# Altium PCB Slave.PcbDoc (part 6 of 12)
Units mm, origin at the board's own origin, x right, y up, seen from the top; angles counter-clockwise.
Board outline 380 x 63 mm, 4 copper layers (Top Copper, Signal Layer 1, Signal Layer 2, Bottom Copper), stack 1.586 mm thick; 265 components, 193 nets, 745 pads, 28205 vias.
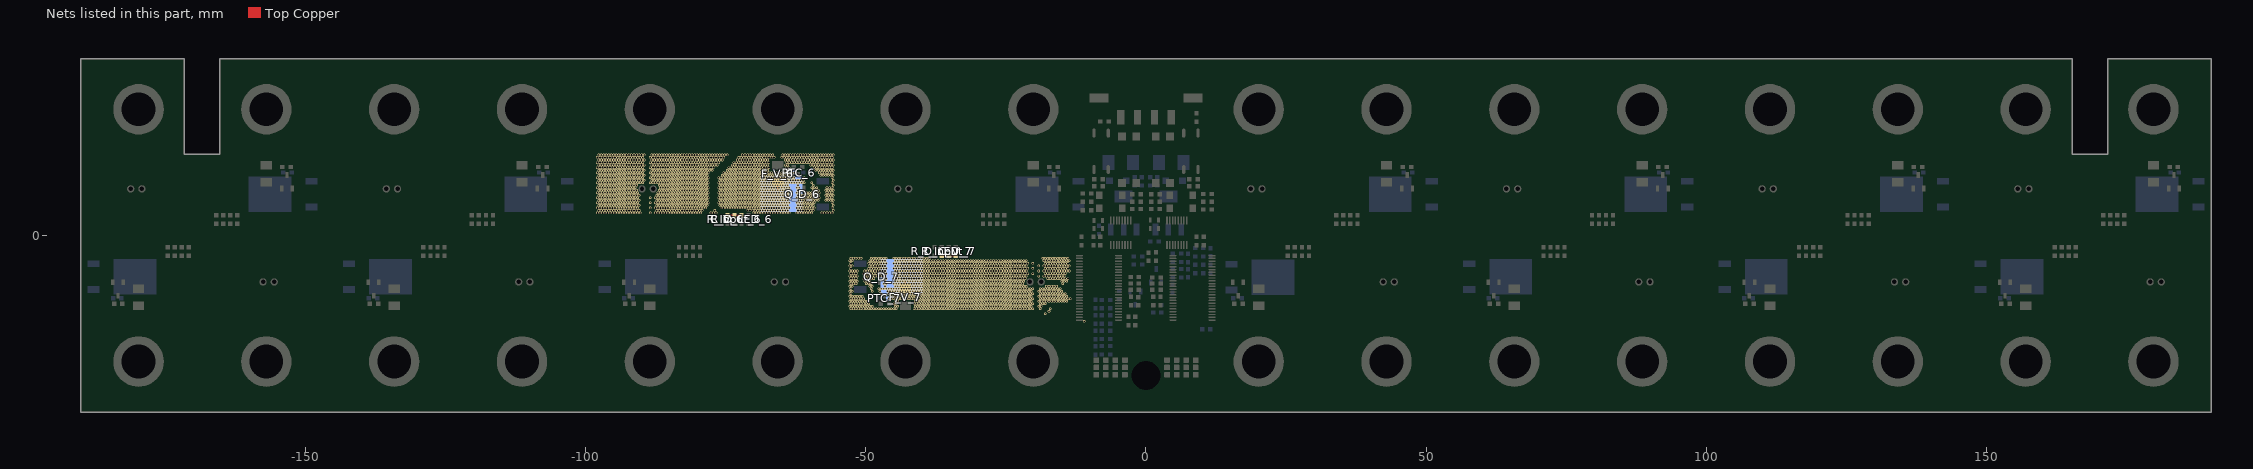
[diagram p8: the nets of this part, all layers, seen from the top]

## Via types
v1: diameter 0.45, hole 0.297, Top Copper to Bottom Copper, tented both sides, 27372 vias
v2: diameter 1, hole 0.7, Top Copper to Bottom Copper, 576 vias
v3: diameter 0.45, hole 0.2, Top Copper to Bottom Copper, 257 vias

## Nets (pads, with @x,y where several pads share a name; then routed paths per layer and width w, separated by ;. In a path a pad name is that pad's centre, name@x,y a point inside that pad or via, vN(x,y) a via of type N, cw(c..) or ccw(c..) an arc to the next point about the centre after c; other vN are vias at no path point) (continued)
F_6: C_V_6.2 F_V_6.2 PTC_6.2 Q_D_6.2 R_D_LED_6.2 R_Input_6.1 | length 3.9
  Top Copper w0.254: C_V_6.2@-74.65,3.6 R_Input_6.1@-73.4,3.6 R_D_LED_6.2@-72.15,3.6
  Top Copper w0.305: v1@-65.675,8.1 F_V_6.2@-65.675,9.48
  other v1: -97.85,4 -97.4,4 -96.95,4 -96.5,4 -96.05,4 -95.6,4 -95.15,4 -94.7,4 -94.25,4 -93.8,4 -93.35,4 -92.9,4 -92.45,4 -92,4 -91.55,4 -91.1,4 -90.65,4 -90.2,4 -88.4,4 -87.5,4 -87.05,4 -86.6,4 -86.15,4 -85.7,4 -85.25,4 -84.8,4 -84.35,4 -83.9,4 -83.45,4 -83,4 -82.55,4 -82.1,4 -81.65,4 -81.2,4 -80.75,4 -80.3,4 -79.85,4 -79.4,4 -77.6,4 -77.15,4 -76.7,4 -69.95,4 -69.5,4 -69.05,4 -68.6,4 -68.15,4 -67.7,4 -67.25,4 -66.8,4 -66.35,4 -65.9,4 -65.45,4 -65,4 -64.55,4 -64.1,4 -63.65,4 -62.3,4 -61.85,4 -61.4,4 -60.95,4 -60.5,4 -60.05,4 -59.6,4 -57.8,4 -57.35,4 -56.9,4 -56.45,4 -56,4 -97.625,4.45 -97.175,4.45 -96.725,4.45 -96.275,4.45 -95.825,4.45 -95.375,4.45 -94.925,4.45 -94.475,4.45 -94.025,4.45 -93.575,4.45 -93.125,4.45 -92.675,4.45 -92.225,4.45 -91.775,4.45 -91.325,4.45 -90.875,4.45 -90.425,4.45 -87.275,4.45 -86.825,4.45 -86.375,4.45 -85.925,4.45 -85.475,4.45 -85.025,4.45 -84.575,4.45 -84.125,4.45 -83.675,4.45 -83.225,4.45 -82.775,4.45 -82.325,4.45 -81.875,4.45 -81.425,4.45 -80.975,4.45 -80.525,4.45 -80.075,4.45 -79.625,4.45 -79.175,4.45 -76.925,4.45 -71.075,4.45 -70.625,4.45 -70.175,4.45 -69.725,4.45 -69.275,4.45 -68.825,4.45 -68.375,4.45 -67.925,4.45 -67.475,4.45 -67.025,4.45 -66.575,4.45 -66.125,4.45 -65.675,4.45 -65.225,4.45 -64.775,4.45 -64.325,4.45 -63.875,4.45 -62.075,4.45 -61.625,4.45 -61.175,4.45 -60.725,4.45 -60.275,4.45 -59.825,4.45 -59.375,4.45 -55.775,4.45 -97.85,4.9 -97.4,4.9 -96.95,4.9 -96.5,4.9 -96.05,4.9 -95.6,4.9 -95.15,4.9 -94.7,4.9 -94.25,4.9 -93.8,4.9 -93.35,4.9 -92.9,4.9 -92.45,4.9 -92,4.9 -91.55,4.9 -91.1,4.9 -90.65,4.9 -88.4,4.9 -87.5,4.9 -87.05,4.9 -86.6,4.9 -86.15,4.9 -85.7,4.9 -85.25,4.9 -84.8,4.9 -84.35,4.9 -83.9,4.9 -83.45,4.9 -83,4.9 -82.55,4.9 -82.1,4.9 -81.65,4.9 -81.2,4.9 -80.75,4.9 -80.3,4.9 -79.85,4.9 -79.4,4.9 -78.95,4.9 -78.5,4.9 -75.8,4.9 -75.35,4.9 -74.9,4.9 -74.45,4.9 -74,4.9 -73.55,4.9 -73.1,4.9 -72.65,4.9 -72.2,4.9 -71.75,4.9 -71.3,4.9 -70.85,4.9 -70.4,4.9 -69.95,4.9 -69.5,4.9 -69.05,4.9 -68.6,4.9 -68.15,4.9 -67.7,4.9 -67.25,4.9 -66.8,4.9 -66.35,4.9 -65.9,4.9 -65.45,4.9 -65,4.9 -64.55,4.9 -64.1,4.9 -63.65,4.9 -62.3,4.9 -61.85,4.9 -61.4,4.9 -60.95,4.9 -60.5,4.9 -60.05,4.9 -59.6,4.9 -59.15,4.9 -56,4.9 -97.625,5.35 -97.175,5.35 -96.725,5.35 -96.275,5.35 -95.825,5.35 -95.375,5.35 -94.925,5.35 -94.475,5.35 -94.025,5.35 -93.575,5.35 -93.125,5.35 -92.675,5.35 -92.225,5.35 -91.775,5.35 -91.325,5.35 -90.875,5.35 -90.425,5.35 -87.275,5.35 -86.825,5.35 -86.375,5.35 -85.925,5.35 -85.475,5.35 -85.025,5.35 -84.575,5.35 -84.125,5.35 -83.675,5.35 -83.225,5.35 -82.775,5.35 -82.325,5.35 -81.875,5.35 -81.425,5.35 -80.975,5.35 -80.525,5.35 -80.075,5.35 -79.625,5.35 -79.175,5.35 -78.725,5.35 -78.275,5.35 -76.025,5.35 -75.575,5.35 -75.125,5.35 -74.675,5.35 -74.225,5.35 -73.775,5.35 -73.325,5.35 -72.875,5.35 -72.425,5.35 -71.975,5.35 -71.525,5.35 -71.075,5.35 -70.625,5.35 -70.175,5.35 -69.725,5.35 -69.275,5.35 -68.825,5.35 -68.375,5.35 -67.925,5.35 -67.475,5.35 -67.025,5.35 -66.575,5.35 -66.125,5.35 -65.675,5.35 -65.225,5.35 -64.775,5.35 -64.325,5.35 -63.875,5.35 -62.075,5.35 -61.625,5.35 -61.175,5.35 -60.725,5.35 -60.275,5.35 -59.825,5.35 -59.375,5.35 -55.775,5.35 -97.85,5.8 -97.4,5.8 -96.95,5.8 -96.5,5.8 -96.05,5.8 -95.6,5.8 -95.15,5.8 -94.7,5.8 -94.25,5.8 -93.8,5.8 -93.35,5.8 -92.9,5.8 -92.45,5.8 -92,5.8 -91.55,5.8 -91.1,5.8 -90.65,5.8 -88.4,5.8 -87.5,5.8 -87.05,5.8 -86.6,5.8 -86.15,5.8 -85.7,5.8 -85.25,5.8 -84.8,5.8 -84.35,5.8 -83.9,5.8 -83.45,5.8 -83,5.8 -82.55,5.8 -82.1,5.8 -81.65,5.8 -81.2,5.8 -80.75,5.8 -80.3,5.8 -79.85,5.8 -79.4,5.8 -78.95,5.8 -78.5,5.8 -78.05,5.8 -76.25,5.8 -75.8,5.8 -75.35,5.8 -74.9,5.8 -74.45,5.8 -74,5.8 -73.55,5.8 -73.1,5.8 -72.65,5.8 -72.2,5.8 -71.75,5.8 -71.3,5.8 -70.85,5.8 -70.4,5.8 -69.95,5.8 -69.5,5.8 -69.05,5.8 -68.6,5.8 -68.15,5.8 -67.7,5.8 -67.25,5.8 -66.8,5.8 -66.35,5.8 -65.9,5.8 -65.45,5.8 -65,5.8 -64.55,5.8 -64.1,5.8 -63.65,5.8 -62.3,5.8 -61.85,5.8 -61.4,5.8 -60.95,5.8 -60.5,5.8 -60.05,5.8 -59.6,5.8 -59.15,5.8 -56,5.8 -97.625,6.25 -97.175,6.25 -96.725,6.25 -96.275,6.25 -95.825,6.25 -95.375,6.25 -94.925,6.25 -94.475,6.25 -94.025,6.25 -93.575,6.25 -93.125,6.25 -92.675,6.25 -92.225,6.25 -91.775,6.25 -91.325,6.25 -90.875,6.25 -90.425,6.25 -87.275,6.25 -86.825,6.25 -86.375,6.25 -85.925,6.25 -85.475,6.25 -85.025,6.25 -84.575,6.25 -84.125,6.25 -83.675,6.25 -83.225,6.25 -82.775,6.25 -82.325,6.25 -81.875,6.25 -81.425,6.25 -80.975,6.25 -80.525,6.25 -80.075,6.25 -79.625,6.25 -79.175,6.25 -78.725,6.25 -78.275,6.25 -76.025,6.25 -75.575,6.25 -75.125,6.25 -74.675,6.25 -74.225,6.25 -73.775,6.25 -73.325,6.25 -72.875,6.25 -72.425,6.25 -71.975,6.25 -71.525,6.25 -71.075,6.25 -70.625,6.25 -70.175,6.25 -69.725,6.25 -69.275,6.25 -68.825,6.25 -68.375,6.25 -67.925,6.25 -67.475,6.25 -67.025,6.25 -66.575,6.25 -66.125,6.25 -65.675,6.25 -65.225,6.25 -64.775,6.25 -64.325,6.25 -63.875,6.25 -62.075,6.25 -61.625,6.25 -61.175,6.25 -60.725,6.25 -60.275,6.25 -59.825,6.25 -59.375,6.25 -58.925,6.25 -58.475,6.25 -57.125,6.25 -56.675,6.25 -56.225,6.25 -55.775,6.25 -97.85,6.7 -97.4,6.7 -96.95,6.7 -96.5,6.7 -96.05,6.7 -95.6,6.7 -95.15,6.7 -94.7,6.7 -94.25,6.7 -93.8,6.7 -93.35,6.7 -92.9,6.7 -92.45,6.7 -92,6.7 -91.55,6.7 -91.1,6.7 -90.65,6.7 -88.4,6.7 -87.5,6.7 -87.05,6.7 -86.6,6.7 -86.15,6.7 -85.7,6.7 -85.25,6.7 -84.8,6.7 -84.35,6.7 -83.9,6.7 -83.45,6.7 -83,6.7 -82.55,6.7 -82.1,6.7 -81.65,6.7 -81.2,6.7 -80.75,6.7 -80.3,6.7 -79.85,6.7 -79.4,6.7 -78.95,6.7 -78.5,6.7 -78.05,6.7 -76.25,6.7 -75.8,6.7 -75.35,6.7 -74.9,6.7 -74.45,6.7 -74,6.7 -73.55,6.7 -73.1,6.7 -72.65,6.7 -72.2,6.7 -71.75,6.7 -71.3,6.7 -70.85,6.7 -70.4,6.7 -69.95,6.7 -69.5,6.7 -69.05,6.7 -68.6,6.7 -68.15,6.7 -67.7,6.7 -67.25,6.7 -66.8,6.7 -66.35,6.7 -65.9,6.7 -65.45,6.7 -65,6.7 -64.55,6.7 -64.1,6.7 -63.65,6.7 -62.3,6.7 -61.85,6.7 -61.4,6.7 -60.95,6.7 -60.5,6.7 -60.05,6.7 -59.6,6.7 -59.15,6.7 -58.7,6.7 -58.25,6.7 -56.9,6.7 -56.45,6.7 -56,6.7 -97.625,7.15 -97.175,7.15 -96.725,7.15 -96.275,7.15 -95.825,7.15 -95.375,7.15 -94.925,7.15 -94.475,7.15 -94.025,7.15 -93.575,7.15 -93.125,7.15 -92.675,7.15 -92.225,7.15 -91.775,7.15 -91.325,7.15 -90.875,7.15 -90.425,7.15 -87.275,7.15 -86.825,7.15 -86.375,7.15 -85.925,7.15 -85.475,7.15 -85.025,7.15 -84.575,7.15 -84.125,7.15 -83.675,7.15 -83.225,7.15 -82.775,7.15 -82.325,7.15 -81.875,7.15 -81.425,7.15 -80.975,7.15 -80.525,7.15 -80.075,7.15 -79.625,7.15 -79.175,7.15 -78.725,7.15 -78.275,7.15 -76.025,7.15 -75.575,7.15 -75.125,7.15 -74.675,7.15 -74.225,7.15 -73.775,7.15 -73.325,7.15 -72.875,7.15 -72.425,7.15 -71.975,7.15 -71.525,7.15 -71.075,7.15 -70.625,7.15 -70.175,7.15 -69.725,7.15 -69.275,7.15 -68.825,7.15 -68.375,7.15 -67.925,7.15 -67.475,7.15 -67.025,7.15 -66.575,7.15 -66.125,7.15 -65.675,7.15 -65.225,7.15 -64.775,7.15 -64.325,7.15 -63.875,7.15 -62.075,7.15 -61.625,7.15 -61.175,7.15 -60.725,7.15 -60.275,7.15 -59.825,7.15 -59.375,7.15 -58.925,7.15 -58.475,7.15 -57.125,7.15 -56.675,7.15 -56.225,7.15 -55.775,7.15 -97.85,7.6 -97.4,7.6 -96.95,7.6 -96.5,7.6 -96.05,7.6 -95.6,7.6 -95.15,7.6 -94.7,7.6 -94.25,7.6 -93.8,7.6 -93.35,7.6 -92.9,7.6 -92.45,7.6 -92,7.6 -91.55,7.6 -91.1,7.6 -90.65,7.6 -87.05,7.6 -86.6,7.6 -86.15,7.6 -85.7,7.6 -85.25,7.6 -84.8,7.6 -84.35,7.6 -83.9,7.6 -83.45,7.6 -83,7.6 -82.55,7.6 -82.1,7.6 -81.65,7.6 -81.2,7.6 -80.75,7.6 -80.3,7.6 -79.85,7.6 -79.4,7.6 -78.95,7.6 -78.5,7.6 -78.05,7.6 -76.25,7.6 -75.8,7.6 -75.35,7.6 -74.9,7.6 -74.45,7.6 -74,7.6 -73.55,7.6 -73.1,7.6 -72.65,7.6 -72.2,7.6 -71.75,7.6 -71.3,7.6 -70.85,7.6 -70.4,7.6 -69.95,7.6 -69.5,7.6 -69.05,7.6 -68.6,7.6 -68.15,7.6 -67.7,7.6 -67.25,7.6 -66.8,7.6 -66.35,7.6 -65.9,7.6 -65.45,7.6 -65,7.6 -64.55,7.6 -64.1,7.6 -63.65,7.6 -62.3,7.6 -61.85,7.6 -60.5,7.6 -60.05,7.6 -59.6,7.6 -59.15,7.6 -58.7,7.6 -58.25,7.6 -56.9,7.6 -56.45,7.6 -56,7.6 -97.625,8.05 -97.175,8.05 -96.725,8.05 -96.275,8.05 -95.825,8.05 -95.375,8.05 -94.925,8.05 -94.475,8.05 -94.025,8.05 -93.575,8.05 -93.125,8.05 -92.675,8.05 -92.225,8.05 -91.775,8.05 -91.325,8.05 -90.875,8.05 -86.825,8.05 -86.375,8.05 -85.925,8.05 -85.475,8.05 -85.025,8.05 -84.575,8.05 -84.125,8.05 -83.675,8.05 -83.225,8.05 -82.775,8.05 -82.325,8.05 -81.875,8.05 -81.425,8.05 -80.975,8.05 -80.525,8.05 -80.075,8.05 -79.625,8.05 -79.175,8.05 -78.725,8.05 -78.275,8.05 -76.025,8.05 -75.575,8.05 -75.125,8.05 -74.675,8.05 -74.225,8.05 -73.775,8.05 -73.325,8.05 -72.875,8.05 -72.425,8.05 -71.975,8.05 -71.525,8.05 -71.075,8.05 -70.625,8.05 -70.175,8.05 -69.725,8.05 -69.275,8.05 -68.825,8.05 -68.375,8.05 -67.925,8.05 -67.475,8.05 -67.025,8.05 -66.575,8.05 -66.125,8.05 -65.675,8.05 -65.225,8.05 -64.775,8.05 -64.325,8.05 -63.875,8.05 -62.075,8.05 -59.375,8.05 -58.925,8.05 -58.475,8.05 -57.125,8.05 -56.675,8.05 -56.225,8.05 -55.775,8.05 -97.85,8.5 -97.4,8.5 -96.95,8.5 -96.5,8.5 -96.05,8.5 -95.6,8.5 -95.15,8.5 -94.7,8.5 -94.25,8.5 -93.8,8.5 -93.35,8.5 -92.9,8.5 -92.45,8.5 -92,8.5 -91.55,8.5 -91.1,8.5 -86.6,8.5 -86.15,8.5 -85.7,8.5 -85.25,8.5 -84.8,8.5 -84.35,8.5 -83.9,8.5 -83.45,8.5 -83,8.5 -82.55,8.5 -82.1,8.5 -81.65,8.5 -81.2,8.5 -80.75,8.5 -80.3,8.5 -79.85,8.5 -79.4,8.5 -78.95,8.5 -78.5,8.5 -78.05,8.5 -76.25,8.5 -75.8,8.5 -75.35,8.5 -74.9,8.5 -74.45,8.5 -74,8.5 -73.55,8.5 -73.1,8.5 -72.65,8.5 -72.2,8.5 -71.75,8.5 -71.3,8.5 -70.85,8.5 -70.4,8.5 -69.95,8.5 -69.5,8.5 -69.05,8.5 -68.6,8.5 -68.15,8.5 -67.7,8.5 -67.25,8.5 -66.8,8.5 -66.35,8.5 -65.9,8.5 -65.45,8.5 -65,8.5 -64.55,8.5 -64.1,8.5 -63.65,8.5 -62.3,8.5 -61.85,8.5 -59.6,8.5 -59.15,8.5 -58.7,8.5 -56.9,8.5 -56.45,8.5 -56,8.5 -97.625,8.95 -97.175,8.95 -96.725,8.95 -96.275,8.95 -95.825,8.95 -95.375,8.95 -94.925,8.95 -94.475,8.95 -94.025,8.95 -93.575,8.95 -93.125,8.95 -92.675,8.95 -92.225,8.95 -91.775,8.95 -91.325,8.95 -90.875,8.95 -86.825,8.95 -86.375,8.95 -85.925,8.95 -85.475,8.95 -85.025,8.95 -84.575,8.95 -84.125,8.95 -83.675,8.95 -83.225,8.95 -82.775,8.95 -82.325,8.95 -81.875,8.95 -81.425,8.95 -80.975,8.95 -80.525,8.95 -80.075,8.95 -79.625,8.95 -79.175,8.95 -78.725,8.95 -78.275,8.95 -76.025,8.95 -75.575,8.95 -75.125,8.95 -74.675,8.95 -74.225,8.95 -73.775,8.95 -73.325,8.95 -72.875,8.95 -72.425,8.95 -71.975,8.95 -71.525,8.95 -71.075,8.95 -70.625,8.95 -70.175,8.95 -69.725,8.95 -69.275,8.95 -68.825,8.95 -68.375,8.95 -67.925,8.95 -67.475,8.95 -67.025,8.95 -66.575,8.95 -66.125,8.95 -65.675,8.95 -65.225,8.95 -64.775,8.95 -64.325,8.95 -63.875,8.95 -62.075,8.95 -59.375,8.95 -55.775,8.95 -97.85,9.4 -97.4,9.4 -96.95,9.4 -96.5,9.4 -96.05,9.4 -95.6,9.4 -95.15,9.4 -94.7,9.4 -94.25,9.4 -93.8,9.4 -93.35,9.4 -92.9,9.4 -92.45,9.4 -92,9.4 -91.55,9.4 -91.1,9.4 -90.65,9.4 -90.2,9.4 -89.75,9.4 -88.4,9.4 -87.95,9.4 -87.5,9.4 -87.05,9.4 -86.6,9.4 -86.15,9.4 -85.7,9.4 -85.25,9.4 -84.8,9.4 -84.35,9.4 -83.9,9.4 -83.45,9.4 -83,9.4 -82.55,9.4 -82.1,9.4 -81.65,9.4 -81.2,9.4 -80.75,9.4 -80.3,9.4 -79.85,9.4 -79.4,9.4 -78.95,9.4 -78.5,9.4 -78.05,9.4 -76.25,9.4 -75.8,9.4 -75.35,9.4 -74.9,9.4 -74.45,9.4 -74,9.4 -73.55,9.4 -73.1,9.4 -72.65,9.4 -72.2,9.4 -71.75,9.4 -71.3,9.4 -70.85,9.4 -70.4,9.4 -69.95,9.4 -69.5,9.4 -69.05,9.4 -68.6,9.4 -68.15,9.4 -67.7,9.4 -67.25,9.4 -66.8,9.4 -66.35,9.4 -65.9,9.4 -65.45,9.4 -65,9.4 -64.55,9.4 -64.1,9.4 -63.65,9.4 -63.2,9.4 -62.75,9.4 -62.3,9.4 -61.85,9.4 -61.4,9.4 -60.95,9.4 -59.6,9.4 -56,9.4 -97.625,9.85 -97.175,9.85 -96.725,9.85 -96.275,9.85 -95.825,9.85 -95.375,9.85 -94.925,9.85 -94.475,9.85 -94.025,9.85 -93.575,9.85 -93.125,9.85 -92.675,9.85 -92.225,9.85 -91.775,9.85 -91.325,9.85 -90.875,9.85 -90.425,9.85 -89.975,9.85 -89.525,9.85 -88.175,9.85 -87.725,9.85 -87.275,9.85 -86.825,9.85 -86.375,9.85 -85.925,9.85 -85.475,9.85 -85.025,9.85 -84.575,9.85 -84.125,9.85 -83.675,9.85 -83.225,9.85 -82.775,9.85 -82.325,9.85 -81.875,9.85 -81.425,9.85 -80.975,9.85 -80.525,9.85 -80.075,9.85 -79.625,9.85 -79.175,9.85 -78.725,9.85 -78.275,9.85 -76.025,9.85 -75.575,9.85 -75.125,9.85 -74.675,9.85 -74.225,9.85 -73.775,9.85 -73.325,9.85 -72.875,9.85 -72.425,9.85 -71.975,9.85 -71.525,9.85 -71.075,9.85 -70.625,9.85 -70.175,9.85 -69.725,9.85 -69.275,9.85 -68.825,9.85 -68.375,9.85 -67.925,9.85 -67.475,9.85 -67.025,9.85 -66.575,9.85 -66.125,9.85 -65.675,9.85 -65.225,9.85 -64.775,9.85 -64.325,9.85 -63.875,9.85 -63.425,9.85 -62.975,9.85 -62.525,9.85 -62.075,9.85 -61.625,9.85 -61.175,9.85 -55.775,9.85 -97.85,10.3 -97.4,10.3 -96.95,10.3 -96.5,10.3 -96.05,10.3 -95.6,10.3 -95.15,10.3 -94.7,10.3 -94.25,10.3 -93.8,10.3 -93.35,10.3 -92.9,10.3 -92.45,10.3 -92,10.3 -91.55,10.3 -91.1,10.3 -90.65,10.3 -90.2,10.3 -89.75,10.3 -88.4,10.3 -87.95,10.3 -87.5,10.3 -87.05,10.3 -86.6,10.3 -86.15,10.3 -85.7,10.3 -85.25,10.3 -84.8,10.3 -84.35,10.3 -83.9,10.3 -83.45,10.3 -83,10.3 -82.55,10.3 -82.1,10.3 -81.65,10.3 -81.2,10.3 -80.75,10.3 -80.3,10.3 -79.85,10.3 -79.4,10.3 -78.95,10.3 -78.5,10.3 -78.05,10.3 -76.25,10.3 -75.8,10.3 -75.35,10.3 -74.9,10.3 -74.45,10.3 -74,10.3 -73.55,10.3 -73.1,10.3 -72.65,10.3 -72.2,10.3 -71.75,10.3 -71.3,10.3 -70.85,10.3 -70.4,10.3 -69.95,10.3 -69.5,10.3 -69.05,10.3 -68.6,10.3 -68.15,10.3 -67.7,10.3 -67.25,10.3 -66.8,10.3 -66.35,10.3 -65.9,10.3 -65.45,10.3 -65,10.3 -64.55,10.3 -64.1,10.3 -63.65,10.3 -63.2,10.3 -62.75,10.3 -60.95,10.3 -56,10.3 -97.625,10.75 -97.175,10.75 -96.725,10.75 -96.275,10.75 -95.825,10.75 -95.375,10.75 -94.925,10.75 -94.475,10.75 -94.025,10.75 -93.575,10.75 -93.125,10.75 -92.675,10.75 -92.225,10.75 -91.775,10.75 -91.325,10.75 -90.875,10.75 -90.425,10.75 -89.975,10.75 -89.525,10.75 -88.175,10.75 -87.725,10.75 -87.275,10.75 -86.825,10.75 -86.375,10.75 -85.925,10.75 -85.475,10.75 -85.025,10.75 -84.575,10.75 -84.125,10.75 -83.675,10.75 -83.225,10.75 -82.775,10.75 -82.325,10.75 -81.875,10.75 -81.425,10.75 -80.975,10.75 -80.525,10.75 -80.075,10.75 -79.625,10.75 -79.175,10.75 -78.725,10.75 -78.275,10.75 -75.575,10.75 -75.125,10.75 -74.675,10.75 -74.225,10.75 -73.775,10.75 -73.325,10.75 -72.875,10.75 -72.425,10.75 -71.975,10.75 -71.525,10.75 -71.075,10.75 -70.625,10.75 -70.175,10.75 -69.725,10.75 -69.275,10.75 -68.825,10.75 -68.375,10.75 -67.925,10.75 -67.475,10.75 -67.025,10.75 -66.575,10.75 -66.125,10.75 -65.675,10.75 -65.225,10.75 -64.775,10.75 -64.325,10.75 -63.875,10.75 -63.425,10.75 -62.975,10.75 -58.025,10.75 -57.575,10.75 -57.125,10.75 -56.675,10.75 -56.225,10.75 -55.775,10.75 -97.85,11.2 -97.4,11.2 -96.95,11.2 -96.5,11.2 -96.05,11.2 -95.6,11.2 -95.15,11.2 -94.7,11.2 -94.25,11.2 -93.8,11.2 -93.35,11.2 -92.9,11.2 -92.45,11.2 -92,11.2 -91.55,11.2 -91.1,11.2 -90.65,11.2 -90.2,11.2 -89.75,11.2 -88.4,11.2 -87.95,11.2 -87.5,11.2 -87.05,11.2 -86.6,11.2 -86.15,11.2 -85.7,11.2 -85.25,11.2 -84.8,11.2 -84.35,11.2 -83.9,11.2 -83.45,11.2 -83,11.2 -82.55,11.2 -82.1,11.2 -81.65,11.2 -81.2,11.2 -80.75,11.2 -80.3,11.2 -79.85,11.2 -79.4,11.2 -78.95,11.2 -78.5,11.2 -78.05,11.2 -75.35,11.2 -74.9,11.2 -74.45,11.2 -74,11.2 -73.55,11.2 -73.1,11.2 -72.65,11.2 -72.2,11.2 -71.75,11.2 -71.3,11.2 -70.85,11.2 -70.4,11.2 -69.95,11.2 -69.5,11.2 -69.05,11.2 -68.6,11.2 -68.15,11.2 -67.7,11.2 -67.25,11.2 -66.8,11.2 -66.35,11.2 -65.9,11.2 -65.45,11.2 -65,11.2 -64.55,11.2 -64.1,11.2 -63.65,11.2 -63.2,11.2 -62.75,11.2 -58.25,11.2 -57.8,11.2 -57.35,11.2 -56.9,11.2 -56.45,11.2 -56,11.2 -97.625,11.65 -97.175,11.65 -96.725,11.65 -96.275,11.65 -95.825,11.65 -95.375,11.65 -94.925,11.65 -94.475,11.65 -94.025,11.65 -93.575,11.65 -93.125,11.65 -92.675,11.65 -92.225,11.65 -91.775,11.65 -91.325,11.65 -90.875,11.65 -90.425,11.65 -89.975,11.65 -89.525,11.65 -88.175,11.65 -87.725,11.65 -87.275,11.65 -86.825,11.65 -86.375,11.65 -85.925,11.65 -85.475,11.65 -85.025,11.65 -84.575,11.65 -84.125,11.65 -83.675,11.65 -83.225,11.65 -82.775,11.65 -82.325,11.65 -81.875,11.65 -81.425,11.65 -80.975,11.65 -80.525,11.65 -80.075,11.65 -79.625,11.65 -79.175,11.65 -78.725,11.65 -78.275,11.65 -77.825,11.65 -77.375,11.65 -74.675,11.65 -74.225,11.65 -73.775,11.65 -73.325,11.65 -72.875,11.65 -72.425,11.65 -71.975,11.65 -71.525,11.65 -71.075,11.65 -70.625,11.65 -70.175,11.65 -69.725,11.65 -69.275,11.65 -68.825,11.65 -68.375,11.65 -67.925,11.65 -67.475,11.65 -64.325,11.65 -63.875,11.65 -58.925,11.65 -58.475,11.65 -58.025,11.65 -57.575,11.65 -57.125,11.65 -56.675,11.65 -56.225,11.65 -55.775,11.65 -97.85,12.1 -97.4,12.1 -96.95,12.1 -96.5,12.1 -96.05,12.1 -95.6,12.1 -95.15,12.1 -94.7,12.1 -94.25,12.1 -93.8,12.1 -93.35,12.1 -92.9,12.1 -92.45,12.1 -92,12.1 -91.55,12.1 -91.1,12.1 -90.65,12.1 -90.2,12.1 -89.75,12.1 -88.4,12.1 -87.95,12.1 -87.5,12.1 -87.05,12.1 -86.6,12.1 -86.15,12.1 -85.7,12.1 -85.25,12.1 -84.8,12.1 -84.35,12.1 -83.9,12.1 -83.45,12.1 -83,12.1 -82.55,12.1 -82.1,12.1 -81.65,12.1 -81.2,12.1 -80.75,12.1 -80.3,12.1 -79.85,12.1 -79.4,12.1 -78.95,12.1 -78.5,12.1 -78.05,12.1 -77.6,12.1 -77.15,12.1 -74.45,12.1 -74,12.1 -73.55,12.1 -73.1,12.1 -72.65,12.1 -72.2,12.1 -71.75,12.1 -71.3,12.1 -70.85,12.1 -70.4,12.1 -69.95,12.1 -69.5,12.1 -69.05,12.1 -68.6,12.1 -68.15,12.1 -67.7,12.1 -67.25,12.1 -64.1,12.1 -63.65,12.1 -59.15,12.1 -58.7,12.1 -58.25,12.1 -57.8,12.1 -57.35,12.1 -56.9,12.1 -56.45,12.1 -56,12.1 -97.625,12.55 -97.175,12.55 -96.725,12.55 -96.275,12.55 -95.825,12.55 -95.375,12.55 -94.925,12.55 -94.475,12.55 -94.025,12.55 -93.575,12.55 -93.125,12.55 -92.675,12.55 -92.225,12.55 -91.775,12.55 -91.325,12.55 -90.875,12.55 -90.425,12.55 -89.975,12.55 -89.525,12.55 -88.175,12.55 -87.725,12.55 -87.275,12.55 -86.825,12.55 -86.375,12.55 -85.925,12.55 -85.475,12.55 -85.025,12.55 -84.575,12.55 -84.125,12.55 -83.675,12.55 -83.225,12.55 -82.775,12.55 -82.325,12.55 -81.875,12.55 -81.425,12.55 -80.975,12.55 -80.525,12.55 -80.075,12.55 -79.625,12.55 -79.175,12.55 -78.725,12.55 -78.275,12.55 -77.825,12.55 -77.375,12.55 -76.925,12.55 -76.475,12.55 -73.775,12.55 -73.325,12.55 -72.875,12.55 -72.425,12.55 -71.975,12.55 -71.525,12.55 -71.075,12.55 -70.625,12.55 -70.175,12.55 -69.725,12.55 -69.275,12.55 -68.825,12.55 -68.375,12.55 -67.925,12.55 -67.475,12.55 -64.325,12.55 -63.875,12.55 -59.825,12.55 -59.375,12.55 -58.925,12.55 -58.475,12.55 -58.025,12.55 -57.575,12.55 -57.125,12.55 -56.675,12.55 -56.225,12.55 -55.775,12.55 -97.85,13 -97.4,13 -96.95,13 -96.5,13 -96.05,13 -95.6,13 -95.15,13 -94.7,13 -94.25,13 -93.8,13 -93.35,13 -92.9,13 -92.45,13 -92,13 -91.55,13 -91.1,13 -90.65,13 -90.2,13 -89.75,13 -88.4,13 -87.95,13 -87.5,13 -87.05,13 -86.6,13 -86.15,13 -85.7,13 -85.25,13 -84.8,13 -84.35,13 -83.9,13 -83.45,13 -83,13 -82.55,13 -82.1,13 -81.65,13 -81.2,13 -80.75,13 -80.3,13 -79.85,13 -79.4,13 -78.95,13 -78.5,13 -78.05,13 -77.6,13 -77.15,13 -76.7,13 -76.25,13 -73.55,13 -73.1,13 -72.65,13 -72.2,13 -71.75,13 -71.3,13 -70.85,13 -70.4,13 -69.95,13 -69.5,13 -69.05,13 -68.6,13 -68.15,13 -67.7,13 -67.25,13 -64.1,13 -63.65,13 -63.2,13 -62.75,13 -62.3,13 -61.85,13 -61.4,13 -60.95,13 -60.5,13 -60.05,13 -59.6,13 -59.15,13 -58.7,13 -58.25,13 -57.8,13 -57.35,13 -56.9,13 -56.45,13 -56,13 -97.625,13.45 -97.175,13.45 -96.725,13.45 -96.275,13.45 -95.825,13.45 -95.375,13.45 -94.925,13.45 -94.475,13.45 -94.025,13.45 -93.575,13.45 -93.125,13.45 -92.675,13.45 -92.225,13.45 -91.775,13.45 -91.325,13.45 -90.875,13.45 -90.425,13.45 -89.975,13.45 -89.525,13.45 -88.175,13.45 -87.725,13.45 -87.275,13.45 -86.825,13.45 -86.375,13.45 -85.925,13.45 -85.475,13.45 -85.025,13.45 -84.575,13.45 -84.125,13.45 -83.675,13.45 -83.225,13.45 -82.775,13.45 -82.325,13.45 -81.875,13.45 -81.425,13.45 -80.975,13.45 -80.525,13.45 -80.075,13.45 -79.625,13.45 -79.175,13.45 -78.725,13.45 -78.275,13.45 -77.825,13.45 -77.375,13.45 -76.925,13.45 -76.475,13.45 -76.025,13.45 -75.575,13.45 -72.875,13.45 -72.425,13.45 -71.975,13.45 -71.525,13.45 -71.075,13.45 -70.625,13.45 -70.175,13.45 -69.725,13.45 -69.275,13.45 -68.825,13.45 -68.375,13.45 -67.925,13.45 -67.475,13.45 -64.325,13.45 -63.875,13.45 -63.425,13.45 -62.975,13.45 -62.525,13.45 -62.075,13.45 -61.625,13.45 -61.175,13.45 -60.725,13.45 -60.275,13.45 -59.825,13.45 -59.375,13.45 -58.925,13.45 -58.475,13.45 -58.025,13.45 -57.575,13.45 -57.125,13.45 -56.675,13.45 -56.225,13.45 -55.775,13.45 -97.85,13.9 -97.4,13.9 -96.95,13.9 -96.5,13.9 -96.05,13.9 -95.6,13.9 -95.15,13.9 -94.7,13.9 -94.25,13.9 -93.8,13.9 -93.35,13.9 -92.9,13.9 -92.45,13.9 -92,13.9 -91.55,13.9 -91.1,13.9 -90.65,13.9 -90.2,13.9 -89.75,13.9 -88.4,13.9 -87.95,13.9 -87.5,13.9 -87.05,13.9 -86.6,13.9 -86.15,13.9 -85.7,13.9 -85.25,13.9 -84.8,13.9 -84.35,13.9 -83.9,13.9 -83.45,13.9 -83,13.9 -82.55,13.9 -82.1,13.9 